# Altium PCB PowerBoard.PcbDoc (part 2 of 2)
Units mm, origin at the board's own origin, x right, y up, seen from the top; angles counter-clockwise.
Board outline 230 x 170 mm, 4 copper layers (Top Layer, PWR, GND, Bottom Layer), stack 0.778 mm thick; 262 components, 135 nets, 848 pads, 1223 vias.
Unrouted connection lines stored in the file: 2.
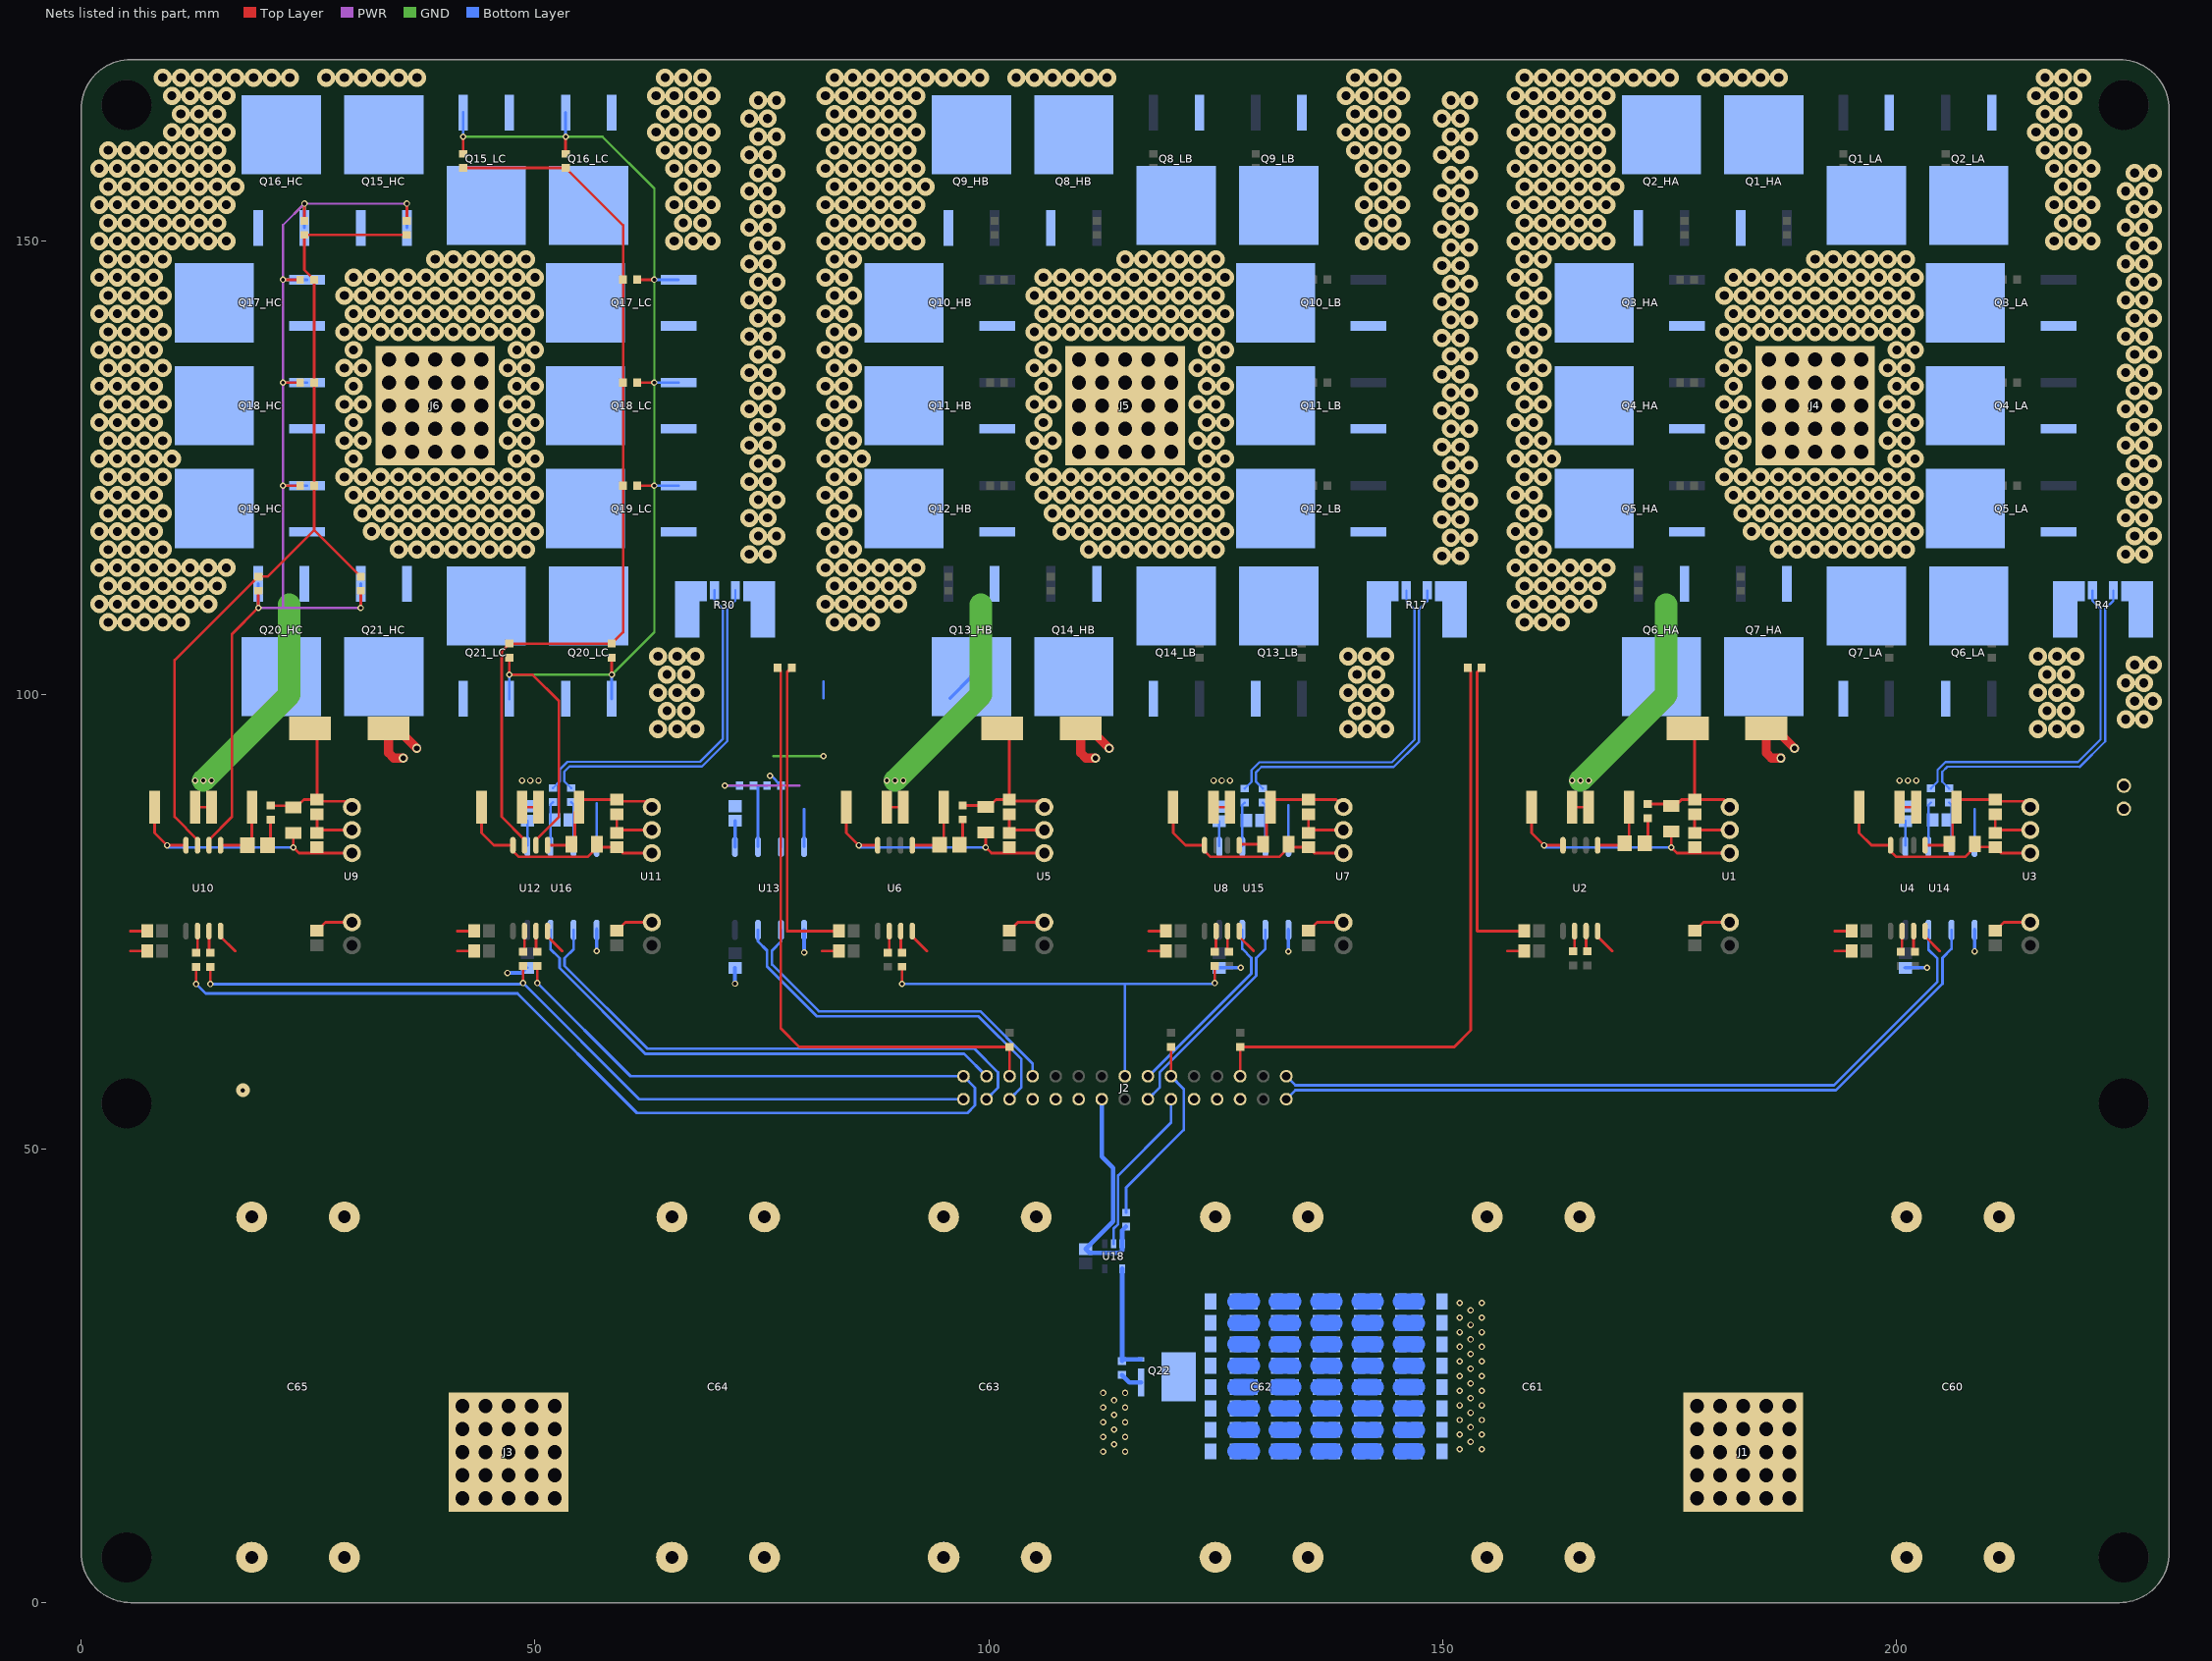
[diagram p4: the nets of this part, all layers, seen from the top]

## Via types
v1: diameter 2, hole 1, Top Layer to Bottom Layer, tented both sides, 1060 vias
v2: diameter 0.7, hole 0.4, Top Layer to Bottom Layer, tented both sides, 153 vias
v3: diameter 1, hole 0.6, Top Layer to Bottom Layer, tented both sides, 6 vias
v4: diameter 1.5, hole 0.5, Top Layer to Bottom Layer, 4 vias

## Nets (pads, with @x,y where several pads share a name; then routed paths per layer and width w, separated by ;. In a path a pad name is that pad's centre, name@x,y a point inside that pad or via, vN(x,y) a via of type N, cw(c..) or ccw(c..) an arc to the next point about the centre after c; other vN are vias at no path point) (continued)
B-LOW: J2.15 R16.1 R18.1 | length 48.4
  Top Layer w0.3: v2(90.435,68.175) R16.1@90.435,70.061 ; v2(124.865,68.257) R18.1@124.865,70.143
  Bottom Layer w0.3: v2(90.435,68.175) 114.97,68.175 ; J2.15@114.97,58 114.97,68.175 ; v2(124.865,68.257) 124.783,68.175 115.9,68.175 114.97,68.175
C-HI-CLAMP: Q15_HC.1 Q16_HC.1 Q17_HC.1 Q18_HC.1 Q19_HC.1 Q20_HC.1 Q21_HC.1 R33_HC.2 R34_HC.2 R35_HC.2 R36_HC.2 R37_HC.2 R38_HC.2 R39_HC.2 U10.6 | length 128.3
  Top Layer w0.3: U10.6@14.095,83.436 14.095,84.049 16.621,86.575 16.621,106.7 v2(19.52,109.599) R38_HC.2@19.52,111.485 ; v2(22.239,123.06) R37_HC.2@24.125,123.06 ; v2(22.239,134.4) R36_HC.2@24.125,134.4 ; v2(22.239,145.74) R35_HC.2@24.125,145.74 ; R34_HC.2@24.6,152.235 v2(24.6,154.121) ; v2(30.803,109.599) R39_HC.2@30.803,111.485 ; R33_HC.2@35.883,152.235 v2(35.883,154.121)
  PWR w0.254: v2(19.52,109.599) 22.239,109.599 ; v2(30.803,109.599) 22.239,109.599 ; v2(35.883,154.121) v2(24.6,154.121) 22.239,151.76 v2(22.239,145.74) v2(22.239,134.4) v2(22.239,123.06) 22.239,109.599
  Bottom Layer w0.3: v2(19.52,109.599) Q20_HC.1@19.52,112.26 ; v2(22.239,123.06) Q19_HC.1@24.9,123.06 ; v2(22.239,134.4) Q18_HC.1@24.9,134.4 ; v2(22.239,145.74) Q17_HC.1@24.9,145.74 ; Q16_HC.1@24.6,151.46 v2(24.6,154.121) ; v2(30.803,109.599) Q21_HC.1@30.803,112.26 ; Q15_HC.1@35.883,151.46 v2(35.883,154.121)
C-HI-GATE: R33_HC.1 R34_HC.1 R35_HC.1 R36_HC.1 R37_HC.1 R38_HC.1 R39_HC.1 U10.7 | length 94.2
  Top Layer w0.3: U10.7@12.825,83.436 12.825,84.049 10.299,86.575 10.299,103.814 R38_HC.1@19.52,113.035 20.547,113.035 25.675,118.163 ; R39_HC.1@30.803,113.035 25.675,118.163 ; R33_HC.1@35.883,150.685 R34_HC.1@24.6,150.685 24.6,146.815 R35_HC.1@25.675,145.74 R36_HC.1@25.675,134.4 R37_HC.1@25.675,123.06 25.675,118.163
C-HIGH: J2.29 R28.1 R32.1 | length 150.7
  Top Layer w0.3: v2(12.675,68.15) R28.1@12.675,70.036 ; v2(50.26,68.257) R32.1@50.26,70.143
  Bottom Layer w0.3: v2(12.675,68.15) 13.725,67.1 48.075,67.1 61.225,53.95 97.625,53.95 98.45,54.775 98.45,56.74 J2.29@97.19,58 60.517,58 v2(50.26,68.257)
C-LO-CLAMP: Q15_LC.1 Q16_LC.1 Q17_LC.1 Q18_LC.1 Q19_LC.1 Q20_LC.1 Q21_LC.1 R33_LC.2 R34_LC.2 R35_LC.2 R36_LC.2 R37_LC.2 R38_LC.2 R39_LC.2 U12.6 | length 145.6
  Top Layer w0.3: R33_LC.2@42.087,159.613 v2(42.087,161.499) ; R39_LC.2@47.167,104.107 v2(47.167,102.221) 49.729,102.221 52.636,99.314 52.636,86.575 50.11,84.049 U12.6@50.11,83.436 ; R34_LC.2@53.37,159.613 v2(53.37,161.499) ; v2(58.45,102.221) R38_LC.2@58.45,104.107 ; R37_LC.2@61.253,123.06 v2(63.139,123.06) ; R36_LC.2@61.253,134.4 v2(63.139,134.4) ; R35_LC.2@61.253,145.74 v2(63.139,145.74)
  GND w0.254: v2(42.087,161.499) v2(53.37,161.499) 57.426,161.499 63.139,155.786 v2(63.139,145.74) v2(63.139,134.4) v2(63.139,123.06) 63.139,106.91 v2(58.45,102.221) v2(47.167,102.221)
  Bottom Layer w0.3: v2(42.087,161.499) Q15_LC.1@42.087,164.16 ; Q21_LC.1@47.167,99.56 v2(47.167,102.221) ; v2(53.37,161.499) Q16_LC.1@53.37,164.16 ; Q20_LC.1@58.45,99.56 v2(58.45,102.221) ; v2(63.139,123.06) Q19_LC.1@65.8,123.06 ; v2(63.139,134.4) Q18_LC.1@65.8,134.4 ; v2(63.139,145.74) Q17_LC.1@65.8,145.74
C-LO-GATE: R33_LC.1 R34_LC.1 R35_LC.1 R36_LC.1 R37_LC.1 R38_LC.1 R39_LC.1 U12.7 | length 101.7
  Top Layer w0.3: R33_LC.1@42.075,158.053 R34_LC.1@53.375,158.053 59.703,151.725 R35_LC.1@59.703,145.75 R36_LC.1@59.703,134.4 R37_LC.1@59.703,123.05 59.703,106.9 R38_LC.1@58.45,105.647 R39_LC.1@47.175,105.647 46.314,104.786 46.314,86.575 48.84,84.049 U12.7@48.84,83.436
C-LOW: J2.30 R29.1 R31.1 | length 92.1
  Top Layer w0.3: v2(14.245,68.15) R29.1@14.245,70.036 ; v2(48.69,68.257) R31.1@48.69,70.143
  Bottom Layer w0.3: v2(14.245,68.15) 48.583,68.15 v2(48.69,68.257) 61.487,55.46 J2.30@97.19,55.46
DIS-GATE: Q22.1 R60.2 U18.4 | length 12.3
  Bottom Layer w0.5: R60.2@114.662,26.63 R60.2@114.675,26.643 ; U18.4@114.675,36.785 R60.2@114.675,26.643 ; Q22.1@116.75,26.805 114.837,26.805 R60.2@114.675,26.643
GND: C2.1 C5.1 C6.1 C10.1 C13.1 C14.1 C18.1 C21.1 C22.1 C26.1 C29.1 C30.1 C34.1 C37.1 C38.1 C43.1 C46.1 C47.1 C51.1 C53.1 C55.1 C57.1 C59.1 J2.6 J2.8 J2.10 J2.18 J2.20 J2.22 J2.24 R45.1 R46.1 R47.1 U1.2 U2.4 U3.2 U4.4 U5.2 U6.4 U7.2 U8.4 U9.2 U10.4 U11.2 U12.4 U13.5 U14.5 U15.5 U16.5 U18.3 | length 175.4
  Top Layer w0.3: 5.414,71.786 C38.1@7.3,71.786 ; 5.414,73.986 C37.1@7.3,73.986 ; U10.4@15.365,73.986 15.365,73.38 16.96,71.785 ; C34.1@25.985,74.012 26.925,74.952 U9.2@29.835,74.952 ; 41.429,71.786 C47.1@43.315,71.786 ; 41.429,73.986 C46.1@43.315,73.986 ; U12.4@51.38,73.986 51.38,73.38 52.975,71.785 ; C43.1@59.02,74.012 59.96,74.952 U11.2@62.87,74.952 ; R45.1@78.275,103 77.775,102.5 77.775,73.986 C21.1@83.49,73.986 ; 81.604,71.786 C22.1@83.49,71.786 ; U6.4@91.555,73.986 91.555,73.38 93.15,71.785 ; C18.1@102.24,74.012 103.18,74.952 U5.2@106.09,74.952 ; 117.604,71.786 C30.1@119.49,71.786 ; 117.604,73.986 C29.1@119.49,73.986 ; U8.4@127.555,73.986 127.555,73.38 129.15,71.785 ; C26.1@135.195,74.012 136.135,74.952 U7.2@139.045,74.952 ; R47.1@154.275,103 153.775,102.5 153.775,73.986 C6.1@158.976,73.986 ; 157.09,71.786 C5.1@158.976,71.786 ; U2.4@167.041,73.986 167.041,73.38 168.636,71.785 ; C2.1@177.747,74.012 178.687,74.952 U1.2@181.597,74.952 ; 193.165,71.786 C14.1@195.051,71.786 ; 193.165,73.986 C13.1@195.051,73.986 ; U4.4@203.116,73.986 203.116,73.38 204.711,71.785 ; C10.1@210.846,74.018 211.78,74.952 U3.2@214.706,74.952
  Bottom Layer w0.254: C57.1@48.594,69.375 C57.1@49.165,69.946 C57.1@49.069,69.946 ; U16.5@56.785,74.115 U16.5@56.785,74.265 ; C55.1@125.269,69.946 C55.1@125.365,69.946 ; U15.5@132.985,74.115 U15.5@132.985,74.211 ; C53.1@200.845,69.946 C53.1@200.941,69.946 ; U14.5@208.561,74.115 U14.5@208.561,74.233
  Bottom Layer w0.4: v2(46.975,69.375) C57.1@48.594,69.375 ; v2(56.785,71.785) U16.5@56.785,74.115 ; v2(72.02,68.195) C51.1@72.02,69.946 ; v2(79.64,71.635) U13.5@79.64,74.115 ; C55.1@125.365,69.946 v2(127.749,69.946) ; v2(132.985,71.731) U15.5@132.985,74.115 ; C53.1@200.941,69.946 v2(203.325,69.946) ; v2(208.561,71.753) U14.5@208.561,74.115
  Bottom Layer w0.5: J2.18@112.43,55.46 112.43,49.12 113.675,47.875 113.675,41.99 C59.1@110.645,38.96 111.08,38.525 114.375,38.525 114.675,38.825 U18.3@114.675,39.535 114.675,41 R46.1@115.1,41.425
  other v4: 17.825,56.45
HV+: C60.2 C61.2 C62.2 C63.2 C64.2 C65.2 J1.1 Q1_HA.2 Q2_HA.2 Q3_HA.2 Q4_HA.2 Q5_HA.2 Q6_HA.2 Q7_HA.2 Q8_HB.2 Q9_HB.2 Q10_HB.2 Q11_HB.2 Q12_HB.2 Q13_HB.2 Q14_HB.2 Q15_HC.2 Q16_HC.2 Q17_HC.2 Q18_HC.2 Q19_HC.2 Q20_HC.2 Q21_HC.2 R50.2 R52.2 R53.2 R54.2 R55.2 R56.2 R57.2 R58.2 R59.2 | length 15
  PWR w0.3: v2(70.9,90) 79.1,90
  Bottom Layer w0.3: v2(70.9,90) R50.2@72.525,90 ; 81.775,99.65 81.775,101.475
  Bottom Layer w0.381: C63.2@95,43.992 C63.2@95.008,44 ; Q13_HB.2@95.71,99.65 Q13_HB.2@98.07,102.01
  other v1: 3,108 5,108 7,108 9,108 11,108 83,108 85,108 87,108 159,108 161,108 163,108 2,110 4,110 6,110 8,110 10,110 12,110 14,110 82,110 84,110 86,110 88,110 90,110 158,110 160,110 162,110 164,110 166,110 3,112 5,112 7,112 9,112 11,112 13,112 15,112 83,112 85,112 87,112 89,112 91,112 159,112 161,112 163,112 165,112 167,112 2,114 4,114 6,114 8,114 10,114 12,114 14,114 16,114 82,114 84,114 86,114 88,114 90,114 92,114 158,114 160,114 162,114 164,114 166,114 168,114 3,116 5,116 7,116 9,116 83,116 85,116 159,116 161,116 2,118 4,118 6,118 8,118 82,118 84,118 158,118 160,118 3,120 5,120 7,120 9,120 83,120 85,120 159,120 161,120 2,122 4,122 6,122 8,122 82,122 84,122 158,122 160,122 3,124 5,124 7,124 9,124 83,124 85,124 159,124 161,124 2,126 4,126 6,126 8,126 10,126 82,126 84,126 86,126 158,126 160,126 162,126 3,128 5,128 7,128 9,128 83,128 85,128 159,128 161,128 2,130 4,130 6,130 8,130 82,130 84,130 158,130 160,130 3,132 5,132 7,132 9,132 83,132 85,132 159,132 161,132 2,134 4,134 6,134 8,134 82,134 84,134 158,134 160,134 3,136 5,136 7,136 9,136 83,136 85,136 159,136 161,136 2,138 4,138 6,138 8,138 82,138 84,138 158,138 160,138 3,140 5,140 7,140 9,140 83,140 85,140 159,140 161,140 2,142 4,142 6,142 8,142 82,142 84,142 158,142 160,142 3,144 5,144 7,144 9,144 83,144 85,144 159,144 161,144 2,146 4,146 6,146 8,146 82,146 84,146 158,146 160,146 3,148 5,148 7,148 9,148 83,148 85,148 159,148 161,148 2,150 4,150 6,150 8,150 10,150 12,150 14,150 16,150 82,150 84,150 86,150 88,150 90,150 92,150 158,150 160,150 162,150 164,150 166,150 168,150 3,152 5,152 7,152 9,152 11,152 13,152 15,152 83,152 85,152 87,152 89,152 91,152 159,152 161,152 163,152 165,152 167,152 2,154 4,154 6,154 8,154 10,154 12,154 14,154 16,154 82,154 84,154 86,154 88,154 90,154 92,154 158,154 160,154 162,154 164,154 166,154 168,154 3,156 5,156 7,156 9,156 11,156 13,156 15,156 17,156 83,156 85,156 87,156 89,156 91,156 93,156 159,156 161,156 163,156 165,156 167,156 169,156 2,158 4,158 6,158 8,158 10,158 12,158 14,158 16,158 82,158 84,158 86,158 88,158 90,158 92,158 158,158 160,158 162,158 164,158 166,158 168,158 3,160 5,160 7,160 9,160 11,160 13,160 15,160 83,160 85,160 87,160 89,160 91,160 159,160 161,160 163,160 165,160 167,160 10,162 12,162 14,162 16,162 82,162 84,162 86,162 88,162 90,162 92,162 158,162 160,162 162,162 164,162 166,162 168,162 11,164 13,164 15,164 83,164 85,164 87,164 89,164 91,164 159,164 161,164 163,164 165,164 167,164 10,166 12,166 14,166 16,166 82,166 84,166 86,166 88,166 90,166 92,166 158,166 160,166 162,166 164,166 166,166 168,166 9,168 11,168 13,168 15,168 17,168 19,168 21,168 23,168 27,168 29,168 31,168 33,168 35,168 37,168 83,168 85,168 87,168 89,168 91,168 93,168 95,168 97,168 99,168 103,168 105,168 107,168 109,168 111,168 113,168 159,168 161,168 163,168 165,168 167,168 169,168 171,168 173,168 175,168 179,168 181,168 183,168 185,168 187,168
  other v2: 151.85,16.9 154.275,16.9 153.063,17.706 151.85,18.512 154.275,18.512 153.063,19.319 151.85,20.125 154.275,20.125 153.063,20.931 151.85,21.737 154.275,21.737 153.063,22.544 151.85,23.35 154.275,23.35 153.063,24.156 151.85,24.962 154.275,24.962 153.063,25.769 151.85,26.575 154.275,26.575 153.063,27.381 151.85,28.187 154.275,28.187 153.063,28.994 151.85,29.8 154.275,29.8 153.063,30.606 151.85,31.412 154.275,31.412 153.063,32.219 151.85,33.025 154.275,33.025
HV-GND: C39.2 C60.1 C61.1 C62.1 C63.1 C64.1 C65.1 C66.2 C67.2 J3.1 Q22.3 R4.1 R17.1 R30.1 R51.1 R60.1 U13.3 | length 42
  Top Layer w1: v3(35.475,93.05) 34.425,93.05 33.855,93.62 C39.2@33.855,96.29 34.81,96.29 v3(36.975,94.125) ; v3(111.73,93.05) 110.68,93.05 110.11,93.62 C67.2@110.11,96.29 111.065,96.29 v3(113.23,94.125) ; v3(187.237,93.05) 186.187,93.05 185.617,93.62 C66.2@185.617,96.29 186.572,96.29 v3(188.737,94.125)
  GND w0.254: 76.225,93.25 v2(81.775,93.25)
  Bottom Layer w0.3: v2(75.879,91.104) 75.995,91.104 R51.1@77.1,90 U13.3@77.1,83.265
  Bottom Layer w0.381: C63.1@95,6.508 C63.1@95.008,6.5
  Bottom Layer w0.5: R60.1@114.662,25.08 115.477,24.265 Q22.3@116.75,24.265
  other v1: 225.2,97.3 227.2,97.3 226.2,99.3 228.2,99.3 225.2,101.3 227.2,101.3 226.2,103.3 228.2,103.3 149.9,115.3 151.9,115.3 73.6,115.5 75.6,115.5 225.2,115.5 227.2,115.5 150.9,117.3 152.9,117.3 74.6,117.5 76.6,117.5 226.2,117.5 228.2,117.5 149.9,119.3 151.9,119.3 73.6,119.5 75.6,119.5 225.2,119.5 227.2,119.5 150.9,121.3 152.9,121.3 74.6,121.5 76.6,121.5 226.2,121.5 228.2,121.5 149.9,123.3 151.9,123.3 73.6,123.5 75.6,123.5 225.2,123.5 227.2,123.5 150.9,125.3 152.9,125.3 74.6,125.5 76.6,125.5 226.2,125.5 228.2,125.5 149.9,127.3 151.9,127.3 73.6,127.5 75.6,127.5 225.2,127.5 227.2,127.5 150.9,129.3 152.9,129.3 74.6,129.5 76.6,129.5 226.2,129.5 228.2,129.5 149.9,131.3 151.9,131.3 73.6,131.5 75.6,131.5 225.2,131.5 227.2,131.5 150.9,133.3 152.9,133.3 74.6,133.5 76.6,133.5 226.2,133.5 228.2,133.5 149.9,135.3 151.9,135.3 73.6,135.5 75.6,135.5 225.2,135.5 227.2,135.5 150.9,137.3 152.9,137.3 74.6,137.5 76.6,137.5 226.2,137.5 228.2,137.5 149.9,139.3 151.9,139.3 73.6,139.5 75.6,139.5 225.2,139.5 227.2,139.5 150.9,141.3 152.9,141.3 74.6,141.5 76.6,141.5 226.2,141.5 228.2,141.5 149.9,143.3 151.9,143.3 73.6,143.5 75.6,143.5 225.2,143.5 227.2,143.5 150.9,145.3 152.9,145.3 74.6,145.5 76.6,145.5 226.2,145.5 228.2,145.5 149.9,147.3 151.9,147.3 73.6,147.5 75.6,147.5 225.2,147.5 227.2,147.5 150.9,149.3 152.9,149.3 74.6,149.5 76.6,149.5 226.2,149.5 228.2,149.5 149.9,151.3 151.9,151.3 73.6,151.5 75.6,151.5 225.2,151.5 227.2,151.5 150.9,153.3 152.9,153.3 74.6,153.5 76.6,153.5 226.2,153.5 228.2,153.5 149.9,155.3 151.9,155.3 73.6,155.5 75.6,155.5 225.2,155.5 227.2,155.5 150.9,157.3 152.9,157.3 74.6,157.5 76.6,157.5 226.2,157.5 228.2,157.5 73.6,159.5 75.6,159.5 149.9,159.5 151.9,159.5 74.6,161.5 76.6,161.5 150.9,161.5 152.9,161.5 73.6,163.5 75.6,163.5 149.9,163.5 151.9,163.5 74.6,165.5 76.6,165.5 150.9,165.5 152.9,165.5
  other v2: 112.575,16.65 115,16.65 113.788,17.456 112.575,18.262 115,18.262 113.788,19.069 112.575,19.875 115,19.875 113.788,20.681 112.575,21.487 115,21.487 113.788,22.294 112.575,23.1 115,23.1
HVsns: R50.1 R51.2 U13.2 | length 7.7
  Bottom Layer w0.3: U13.2@74.56,83.265 74.56,90 R51.2@75.55,90
IsnsA_N: J2.2 U14.6 | length 83.9
  Bottom Layer w0.3: J2.2@132.75,55.46 133.743,56.453 193.303,56.453 205.028,68.178 205.028,71.035 206.021,72.028 U14.6@206.021,74.115
IsnsA_P: J2.1 U14.7 | length 83
  Bottom Layer w0.3: J2.1@132.75,58 133.743,57.007 193.074,57.007 204.474,68.407 204.474,70.955 203.481,71.948 U14.7@203.481,74.115
IsnsB_N: J2.14 U15.6 | length 24
  Bottom Layer w0.3: J2.14@117.51,55.46 118.8,56.75 118.8,58.421 129.452,69.072 129.452,71.02 130.445,72.013 U15.6@130.445,74.115
IsnsB_P: J2.13 U15.7 | length 21.3
  Bottom Layer w0.3: J2.13@117.51,58 117.596,58 128.898,69.302 128.898,71.02 127.905,72.013 U15.7@127.905,74.115
IsnsC_N: J2.28 U16.6 | length 60.5
  Bottom Layer w0.3: U16.6@54.245,74.115 54.245,71.988 53.252,70.995 53.252,70.15 62.373,61.029 98.396,61.029 101,58.425 101,56.73 J2.28@99.73,55.46
IsnsC_P: J2.27 U16.7 | length 56.8
  Bottom Layer w0.3: U16.7@51.705,74.115 51.705,71.989 52.698,70.996 52.698,69.921 62.143,60.475 97.255,60.475 J2.27@99.73,58 J2.27@99.918,58.188
ISO-5V: C50.2 C52.2 C54.2 C56.2 J7.2 U13.1 U14.1 U15.1 U16.1 | length 11.1
  Bottom Layer w0.254: U16.1@49.165,83.415 C56.2@49.165,86.14 ; U15.1@125.365,83.361 C54.2@125.365,86.086 ; U14.1@200.941,83.383 C52.2@200.941,86.108
  Bottom Layer w0.381: U13.1@72.02,83.265 C50.2@72.02,86.14
ISO-GND: C50.1 C52.1 C54.1 C56.1 J7.1 U13.4 U14.4 U15.4 U16.4 | length 17.6
  Bottom Layer w0.3: U16.4@56.785,83.265 56.785,88.025 ; U13.4@79.64,83.265 79.64,87.425 ; U15.4@132.985,83.265 132.985,87.825 ; U14.4@208.561,83.265 208.561,87.375
NetC1_1: C1.1 C4.2 U1.4 | length 5.9
  Top Layer w0.3: C1.1@177.737,86.693 177.737,84.828 177.747,84.818 178.047,85.118 U1.4@181.597,85.118
NetC7_2: C7.2 D1.1 U2.5 | length 7.4
  Top Layer w0.3: U2.5@167.041,83.436 170.001,83.436 170.496,83.931 C7.2@170.496,87.629
NetC9_1: C9.1 C12.2 U3.4 | length 5.9
  Top Layer w0.3: C9.1@210.846,86.693 210.846,84.828 210.856,84.818 211.156,85.118 U3.4@214.706,85.118
NetC15_1: C15.1 C16.2 Q1_LA.3 Q2_LA.3 Q3_LA.3 Q4_LA.3 Q5_LA.3 Q6_LA.3 Q7_LA.3 R4.2 | length 1.8
  Top Layer w0.3: C16.2@200.301,87.629 C15.1@202.121,87.629
  other v1: 215.55,96.25 217.65,96.25 219.65,96.25 216.55,98.25 218.65,98.25 215.55,100.25 217.65,100.25 219.65,100.25 216.55,102.25 218.65,102.25 215.55,104.25 217.65,104.25 219.65,104.25 217.325,150 219.425,150 221.425,150 218.325,152 220.425,152 217.325,154 219.425,154 221.425,154 218.325,156 220.425,156 217.325,158 219.425,158 221.425,158 216.325,160 218.325,160 220.425,160 215.325,162 217.325,162 219.425,162 216.325,164 218.325,164 215.325,166 217.325,166 219.425,166 216.325,168 218.325,168 220.425,168
  other v2: 200.301,90.575 201.211,90.575 202.121,90.575
NetC17_1: C17.1 C20.2 U5.4 | length 5.9
  Top Layer w0.3: C17.1@102.23,86.693 102.23,84.828 102.24,84.818 102.54,85.118 U5.4@106.09,85.118
NetC23_2: C23.2 D2.1 U6.5 | length 7.4
  Top Layer w0.3: U6.5@91.555,83.436 94.515,83.436 95.01,83.931 C23.2@95.01,87.629
NetC25_1: C25.1 C28.2 U7.4 | length 5.9
  Top Layer w0.3: C25.1@135.185,86.693 135.185,84.828 135.195,84.818 135.495,85.118 U7.4@139.045,85.118
NetC31_1: C31.1 C32.2 Q8_LB.3 Q9_LB.3 Q10_LB.3 Q11_LB.3 Q12_LB.3 Q13_LB.3 Q14_LB.3 R17.2 | length 1.8
  Top Layer w0.3: C32.2@124.74,87.629 C31.1@126.56,87.629
  other v1: 139.55,96.25 141.65,96.25 143.65,96.25 140.55,98.25 142.65,98.25 139.55,100.25 141.65,100.25 143.65,100.25 140.55,102.25 142.65,102.25 139.55,104.25 141.65,104.25 143.65,104.25 141.325,150 143.425,150 145.425,150 142.325,152 144.425,152 141.325,154 143.425,154 145.425,154 142.325,156 144.425,156 141.325,158 143.425,158 145.425,158 140.325,160 142.325,160 144.425,160 139.325,162 141.325,162 143.425,162 145.425,162 140.325,164 142.325,164 144.425,164 139.325,166 141.325,166 143.425,166 145.425,166 140.325,168 142.325,168 144.425,168
  other v2: 124.74,90.575 125.65,90.575 126.56,90.575
NetC33_1: C33.1 C36.2 U9.4 | length 5.8
  Top Layer w0.3: C33.1@25.985,86.686 25.985,84.875 26.222,85.112 U9.4@29.835,85.112
NetC40_2: C40.2 D3.1 U10.5 | length 7.4
  Top Layer w0.3: U10.5@15.365,83.436 D3.1@18.325,83.436 18.82,83.931 C40.2@18.82,87.629
NetC42_1: C42.1 C45.2 U11.4 | length 5.9
  Top Layer w0.3: C42.1@59.01,86.693 59.01,84.828 59.02,84.818 59.32,85.118 U11.4@62.87,85.118
NetC48_1: C48.1 C49.2 Q15_LC.3 Q16_LC.3 Q17_LC.3 Q18_LC.3 Q19_LC.3 Q20_LC.3 Q21_LC.3 R30.2 | length 1.8
  Top Layer w0.3: C49.2@48.565,87.629 C48.1@50.385,87.629
  other v1: 63.55,96.25 65.65,96.25 67.65,96.25 64.55,98.25 66.65,98.25 63.55,100.25 65.65,100.25 67.65,100.25 64.55,102.25 66.65,102.25 63.55,104.25 65.65,104.25 67.65,104.25 65.325,150 67.425,150 69.425,150 66.325,152 68.425,152 65.325,154 67.425,154 69.425,154 66.325,156 68.425,156 65.325,158 67.425,158 69.425,158 64.325,160 66.325,160 68.425,160 63.325,162 65.325,162 67.425,162 69.425,162 64.325,164 66.325,164 68.425,164 63.325,166 65.325,166 67.425,166 69.425,166 64.325,168 66.325,168 68.425,168
  other v2: 48.565,90.575 49.475,90.575 50.385,90.575
NetC68_1: C68.1 R103.1 U14.3 | length 4.9
  Bottom Layer w0.254: R103.1@205.751,88.153 206.021,87.883 U14.3@206.021,83.383
NetC68_2: C68.2 R102.1 U14.2 | length 4.9
  Bottom Layer w0.254: U14.2@203.481,83.383 203.481,87.883 R102.1@203.751,88.153
NetC69_1: C69.1 R105.1 U15.3 | length 4.9
  Bottom Layer w0.254: R105.1@130.175,88.131 130.445,87.861 U15.3@130.445,83.361
NetC69_2: C69.2 R104.1 U15.2 | length 4.9
  Bottom Layer w0.254: U15.2@127.905,83.361 127.905,87.861 R104.1@128.175,88.131
NetC70_1: C70.1 R107.1 U16.3 | length 4.9
  Bottom Layer w0.254: R107.1@53.975,88.185 54.245,87.915 U16.3@54.245,83.415
NetC70_2: C70.2 R106.1 U16.2 | length 4.9
  Bottom Layer w0.254: U16.2@51.705,83.415 51.705,87.915 R106.1@51.975,88.185
NetD1_2: D1.2 R1.2 | length 2.9
  Top Layer w0.3: D1.2@172.227,83.647 172.577,83.997 R1.2@172.577,86.429
NetD2_2: D2.2 R14.2 | length 2.9
  Top Layer w0.3: D2.2@96.755,83.497 97.105,83.847 R14.2@97.105,86.279
NetD3_2: D3.2 R27.2 | length 3
  Top Layer w0.3: D3.2@20.525,83.436 20.875,83.786 R27.2@20.875,86.254
NetQ22_2: Q22.2 R94.1 R95.1 R96.1 R97.1 R98.1 R99.1 R100.1 R101.1
NetR2_2: R2.2 U2.2 | length 2.3
  Top Layer w0.3: R2.2@164.351,71.761 164.501,71.911 U2.2@164.501,73.986
NetR3_2: R3.2 U2.3 | length 2.3
  Top Layer w0.3: U2.3@165.771,73.986 165.771,71.911 R3.2@165.921,71.761
NetR5_2: R5.2 U4.2 | length 2.4
  Top Layer w0.3: R5.2@200.426,71.693 200.576,71.843 U4.2@200.576,73.986
NetR6_2: R6.2 U4.3 | length 2.4
  Top Layer w0.3: U4.3@201.846,73.986 201.846,71.843 R6.2@201.996,71.693
NetR15_2: R15.2 U6.2 | length 2.4
  Top Layer w0.3: R15.2@88.865,71.611 89.015,71.761 U6.2@89.015,73.986
NetR16_2: R16.2 U6.3 | length 2.4
  Top Layer w0.3: U6.3@90.285,73.986 90.285,71.761 R16.2@90.435,71.611
NetR18_2: R18.2 U8.2 | length 2.4
  Top Layer w0.3: R18.2@124.865,71.693 125.015,71.843 U8.2@125.015,73.986
NetR19_2: R19.2 U8.3 | length 2.4
  Top Layer w0.3: U8.3@126.285,73.986 126.285,71.843 R19.2@126.435,71.693
NetR28_2: R28.2 U10.2 | length 2.5
  Top Layer w0.3: R28.2@12.675,71.586 12.825,71.736 U10.2@12.825,73.986
NetR29_2: R29.2 U10.3 | length 2.5
  Top Layer w0.3: U10.3@14.095,73.986 14.095,71.736 R29.2@14.245,71.586
NetR31_2: R31.2 U12.2 | length 2.5
  Top Layer w0.3: R31.2@48.69,71.693 48.84,71.843 U12.2@48.84,74.093
NetR32_2: R32.2 U12.3 | length 2.5
  Top Layer w0.3: U12.3@50.11,74.093 50.11,71.843 R32.2@50.26,71.693
NetR52_1: R52.1 R61.2 | length 1.8
  Bottom Layer w1.8: R61.2@145.36,16.675 R52.1@147.16,16.675
NetR53_1: R53.1 R62.2 | length 1.8
  Bottom Layer w1.8: R62.2@145.36,19.032 R53.1@147.16,19.032
NetR54_1: R54.1 R63.2 | length 1.8
  Bottom Layer w1.8: R63.2@145.36,21.389 R54.1@147.16,21.389
NetR55_1: R55.1 R64.2 | length 1.8
  Bottom Layer w1.8: R64.2@145.36,23.746 R55.1@147.16,23.746
NetR56_1: R56.1 R65.2 | length 1.8
  Bottom Layer w1.8: R65.2@145.36,26.103 R56.1@147.16,26.103
NetR57_1: R57.1 R66.2 | length 1.8
  Bottom Layer w1.8: R66.2@145.36,28.461 R57.1@147.16,28.461
NetR58_1: R58.1 R67.2 | length 1.8
  Bottom Layer w1.8: R67.2@145.36,30.818 R58.1@147.16,30.818
NetR59_1: R59.1 R68.2 | length 1.8
  Bottom Layer w1.8: R68.2@145.36,33.175 R59.1@147.16,33.175
NetR61_1: R61.1 R70.2 | length 1.8
  Bottom Layer w1.8: R70.2@140.81,16.675 R61.1@142.61,16.675
NetR62_1: R62.1 R71.2 | length 1.8
  Bottom Layer w1.8: R71.2@140.81,19.032 R62.1@142.61,19.032
NetR63_1: R63.1 R72.2 | length 1.8
  Bottom Layer w1.8: R72.2@140.81,21.389 R63.1@142.61,21.389
NetR64_1: R64.1 R73.2 | length 1.8
  Bottom Layer w1.8: R73.2@140.81,23.746 R64.1@142.61,23.746
NetR65_1: R65.1 R74.2 | length 1.8
  Bottom Layer w1.8: R74.2@140.81,26.103 R65.1@142.61,26.103
NetR66_1: R66.1 R75.2 | length 1.8
  Bottom Layer w1.8: R75.2@140.81,28.461 R66.1@142.61,28.461
NetR67_1: R67.1 R76.2 | length 1.8
  Bottom Layer w1.8: R76.2@140.81,30.818 R67.1@142.61,30.818
NetR68_1: R68.1 R77.2 | length 1.8
  Bottom Layer w1.8: R77.2@140.81,33.175 R68.1@142.61,33.175
NetR70_1: R70.1 R78.2 | length 1.8
  Bottom Layer w1.8: R78.2@136.26,16.675 R70.1@138.06,16.675
NetR71_1: R71.1 R79.2 | length 1.8
  Bottom Layer w1.8: R79.2@136.26,19.032 R71.1@138.06,19.032
NetR72_1: R72.1 R80.2 | length 1.8
  Bottom Layer w1.8: R80.2@136.26,21.389 R72.1@138.06,21.389
NetR73_1: R73.1 R81.2 | length 1.8
  Bottom Layer w1.8: R81.2@136.26,23.746 R73.1@138.06,23.746
NetR74_1: R74.1 R82.2 | length 1.8
  Bottom Layer w1.8: R82.2@136.26,26.103 R74.1@138.06,26.103
NetR75_1: R75.1 R83.2 | length 1.8
  Bottom Layer w1.8: R83.2@136.26,28.461 R75.1@138.06,28.461
NetR76_1: R76.1 R84.2 | length 1.8
  Bottom Layer w1.8: R84.2@136.26,30.818 R76.1@138.06,30.818
NetR77_1: R77.1 R85.2 | length 1.8
  Bottom Layer w1.8: R85.2@136.26,33.175 R77.1@138.06,33.175
NetR78_1: R78.1 R86.2 | length 1.8
  Bottom Layer w1.8: R86.2@131.71,16.675 R78.1@133.51,16.675
NetR79_1: R79.1 R87.2 | length 1.8
  Bottom Layer w1.8: R87.2@131.71,19.032 R79.1@133.51,19.032
NetR80_1: R80.1 R88.2 | length 1.8
  Bottom Layer w1.8: R88.2@131.71,21.389 R80.1@133.51,21.389
NetR81_1: R81.1 R89.2 | length 1.8
  Bottom Layer w1.8: R89.2@131.71,23.746 R81.1@133.51,23.746
NetR82_1: R82.1 R90.2 | length 1.8
  Bottom Layer w1.8: R90.2@131.71,26.103 R82.1@133.51,26.103
NetR83_1: R83.1 R91.2 | length 1.8
  Bottom Layer w1.8: R91.2@131.71,28.461 R83.1@133.51,28.461
NetR84_1: R84.1 R92.2 | length 1.8
  Bottom Layer w1.8: R92.2@131.71,30.818 R84.1@133.51,30.818
NetR85_1: R85.1 R93.2 | length 1.8
  Bottom Layer w1.8: R93.2@131.71,33.175 R85.1@133.51,33.175
NetR86_1: R86.1 R94.2 | length 1.8
  Bottom Layer w1.8: R94.2@127.16,16.675 R86.1@128.96,16.675
NetR87_1: R87.1 R95.2 | length 1.8
  Bottom Layer w1.8: R95.2@127.16,19.032 R87.1@128.96,19.032
NetR88_1: R88.1 R96.2 | length 1.8
  Bottom Layer w1.8: R96.2@127.16,21.389 R88.1@128.96,21.389
NetR89_1: R89.1 R97.2 | length 1.8
  Bottom Layer w1.8: R97.2@127.16,23.746 R89.1@128.96,23.746
NetR90_1: R90.1 R98.2 | length 1.8
  Bottom Layer w1.8: R98.2@127.16,26.103 R90.1@128.96,26.103
NetR91_1: R91.1 R99.2 | length 1.8
  Bottom Layer w1.8: R99.2@127.16,28.461 R91.1@128.96,28.461
NetR92_1: R92.1 R100.2 | length 1.8
  Bottom Layer w1.8: R100.2@127.16,30.818 R92.1@128.96,30.818
NetR93_1: R93.1 R101.2 | length 1.8
  Bottom Layer w1.8: R101.2@127.16,33.175 R93.1@128.96,33.175
Phase-A-OUT: C7.1 C8.2 J4.1 Q1_HA.3 Q1_LA.2 Q2_HA.3 Q2_LA.2 Q3_HA.3 Q3_LA.2 Q4_HA.3 Q4_LA.2 Q5_HA.3 Q5_LA.2 Q6_HA.3 Q6_LA.2 Q7_HA.3 Q7_LA.2 | length 25.1
  Top Layer w0.3: C8.2@164.226,87.629 C7.1@166.046,87.629
  GND w2.5: v2(165.136,90.575) 174.601,100.04 174.601,109.95
  other v1: 187,116 189,116 191,116 193,116 195,116 197,116 199,116 201,116 184,118 186,118 188,118 190,118 192,118 194,118 196,118 198,118 200,118 202,118 183,120 185,120 187,120 189,120 191,120 193,120 195,120 197,120 199,120 201,120 182,122 184,122 186,122 188,122 190,122 192,122 194,122 196,122 198,122 200,122 202,122 181,124 183,124 185,124 187,124 189,124 191,124 193,124 195,124 197,124 199,124 201,124 182,126 200,126 202,126 181,128 183,128 199,128 201,128 182,130 200,130 202,130 181,132 183,132 199,132 201,132 182,134 200,134 202,134 181,136 183,136 199,136 201,136 182,138 200,138 202,138 181,140 183,140 185,140 187,140 189,140 191,140 193,140 195,140 197,140 199,140 201,140 182,142 184,142 186,142 188,142 190,142 192,142 194,142 196,142 198,142 200,142 202,142 181,144 183,144 185,144 187,144 189,144 191,144 193,144 195,144 197,144 199,144 201,144 182,146 184,146 186,146 188,146 190,146 192,146 194,146 196,146 198,146 200,146 202,146 191,148 193,148 195,148 197,148 199,148 201,148
  other v2: 164.226,90.575 166.046,90.575
Phase-B-OUT: C23.1 C24.2 J5.1 Q8_HB.3 Q8_LB.2 Q9_HB.3 Q9_LB.2 Q10_HB.3 Q10_LB.2 Q11_HB.3 Q11_LB.2 Q12_HB.3 Q12_LB.2 Q13_HB.3 Q13_LB.2 Q14_HB.3 Q14_LB.2 | length 25.1
  Top Layer w0.3: C24.2@88.74,87.629 C23.1@90.56,87.629
  GND w2.5: v2(89.65,90.575) 99.115,100.04 99.115,109.95
  other v1: 111,116 113,116 115,116 117,116 119,116 121,116 123,116 125,116 108,118 110,118 112,118 114,118 116,118 118,118 120,118 122,118 124,118 126,118 107,120 109,120 111,120 113,120 115,120 117,120 119,120 121,120 123,120 125,120 106,122 108,122 110,122 112,122 114,122 116,122 118,122 120,122 122,122 124,122 126,122 105,124 107,124 109,124 111,124 113,124 115,124 117,124 119,124 121,124 123,124 125,124 106,126 124,126 126,126 105,128 107,128 123,128 125,128 106,130 124,130 126,130 105,132 107,132 123,132 125,132 106,134 124,134 126,134 105,136 107,136 123,136 125,136 106,138 124,138 126,138 105,140 107,140 109,140 111,140 113,140 115,140 117,140 119,140 121,140 123,140 125,140 106,142 108,142 110,142 112,142 114,142 116,142 118,142 120,142 122,142 124,142 126,142 105,144 107,144 109,144 111,144 113,144 115,144 117,144 119,144 121,144 123,144 125,144 106,146 108,146 110,146 112,146 114,146 116,146 118,146 120,146 122,146 124,146 126,146 115,148 117,148 119,148 121,148 123,148 125,148
  other v2: 88.74,90.575 90.56,90.575
Phase-C-OUT: C40.1 C41.2 J6.1 Q15_HC.3 Q15_LC.2 Q16_HC.3 Q16_LC.2 Q17_HC.3 Q17_LC.2 Q18_HC.3 Q18_LC.2 Q19_HC.3 Q19_LC.2 Q20_HC.3 Q20_LC.2 Q21_HC.3 Q21_LC.2 | length 25.1
  Top Layer w0.3: C41.2@12.55,87.629 C40.1@14.37,87.629
  GND w2.5: v2(13.46,90.575) 22.925,100.04 22.925,109.95
  other v1: 35,116 37,116 39,116 41,116 43,116 45,116 47,116 49,116 32,118 34,118 36,118 38,118 40,118 42,118 44,118 46,118 48,118 50,118 31,120 33,120 35,120 37,120 39,120 41,120 43,120 45,120 47,120 49,120 30,122 32,122 34,122 36,122 38,122 40,122 42,122 44,122 46,122 48,122 50,122 29,124 31,124 33,124 35,124 37,124 39,124 41,124 43,124 45,124 47,124 49,124 30,126 48,126 50,126 29,128 31,128 47,128 49,128 30,130 48,130 50,130 29,132 31,132 47,132 49,132 30,134 48,134 50,134 29,136 31,136 47,136 49,136 30,138 48,138 50,138 29,140 31,140 33,140 35,140 37,140 39,140 41,140 43,140 45,140 47,140 49,140 30,142 32,142 34,142 36,142 38,142 40,142 42,142 44,142 46,142 48,142 50,142 29,144 31,144 33,144 35,144 37,144 39,144 41,144 43,144 45,144 47,144 49,144 30,146 32,146 34,146 36,146 38,146 40,146 42,146 44,146 46,146 48,146 50,146 39,148 41,148 43,148 45,148 47,148 49,148
  other v2: 12.55,90.575 14.37,90.575
ShuntA_N: R4.3 R103.2 | length 38.5
  Bottom Layer w0.254: R103.2@205.751,89.703 205.005,90.449 205.005,91.522 205.576,92.093 220.153,92.093 220.161,92.085 222.955,94.879 222.955,109.47 223.851,110.366 R4.3@223.851,111.493
ShuntA_P: R4.4 R102.2 | length 38.5
  Bottom Layer w0.254: R102.2@203.751,89.703 204.497,90.449 204.497,91.732 205.365,92.601 219.959,92.601 222.447,95.089 222.447,109.47 221.551,110.366 R4.4@221.551,111.493
ShuntB_N: R17.3 R105.2 | length 38.5
  Bottom Layer w0.254: R105.2@130.175,89.681 129.429,90.427 129.429,91.5 130,92.071 144.577,92.071 144.585,92.063 147.379,94.857 147.379,109.448 148.275,110.344 R17.3@148.275,111.471
ShuntB_P: R17.4 R104.2 | length 38.5
  Bottom Layer w0.254: R104.2@128.175,89.681 128.921,90.427 128.921,91.71 129.79,92.579 144.383,92.579 146.871,95.067 146.871,109.448 145.975,110.344 R17.4@145.975,111.471
ShuntC_N: R30.3 R107.2 | length 38.5
  Bottom Layer w0.254: R107.2@53.975,89.735 53.229,90.481 53.229,91.554 53.8,92.125 68.377,92.125 68.385,92.117 71.179,94.911 71.179,109.502 72.075,110.398 R30.3@72.075,111.525
ShuntC_P: R30.4 R106.2 | length 38.5
  Bottom Layer w0.254: R106.2@51.975,89.735 52.721,90.481 52.721,91.764 53.59,92.633 68.183,92.633 70.671,95.121 70.671,109.502 69.775,110.398 R30.4@69.775,111.525
Shutdown: J2.12 U18.2 | length 18.5
  Bottom Layer w0.3: U18.2@113.725,39.535 113.725,41.2 114.225,41.7 114.225,47.05 120.05,52.875 J2.12@120.05,55.46
TEMP1: J2.25 R40.1 R45.2 | length 69.2
  Top Layer w0.3: R45.2@76.725,103 77.075,102.65 77.075,63.25 79.1,61.225 R40.1@102.27,61.225 J2.25@102.27,58
TEMP2: J2.11 R41.1 R46.2 | length 21.5
  Top Layer w0.3: J2.11@120.05,58 R41.1@120.05,61.225
  Bottom Layer w0.3: R46.2@115.1,42.975 115.1,45.725 121.45,52.075 121.45,56.6 J2.11@120.05,58
TEMP3: J2.5 R42.1 R47.2 | length 69
  Top Layer w0.3: J2.5@127.67,58 R42.1@127.67,61.225 151.25,61.225 153.075,63.05 R47.2@153.075,102.65
VH_H_A: C1.2 C3.2 C66.1 R1.1 U1.5 | length 17.6
  Top Layer w0.3: R1.1@172.577,87.979 174.862,87.979 C3.2@175.087,87.754 ; C3.2@175.405,87.579 176.287,88.461 C1.2@177.736,88.461 ; C66.1@176.967,96.29 177.736,95.521 C1.2@177.736,88.461 ; U1.5@181.586,87.826 180.951,88.461 C1.2@177.736,88.461
VH_H_B: C17.2 C19.2 C67.1 R14.1 U5.5 | length 17.6
  Top Layer w0.3: R14.1@97.105,87.829 99.39,87.829 C19.2@99.615,87.604 ; C19.2@99.909,87.579 100.791,88.461 C17.2@102.24,88.461 102.24,95.51 C67.1@101.46,96.29 ; C17.2@102.24,88.311 105.455,88.311 U5.5@106.09,87.676
VH_H_C: C33.2 C35.2 C39.1 R27.1 U9.5 | length 17.8
  Top Layer w0.3: R27.1@20.875,87.804 23.16,87.804 C35.2@23.385,87.579 23.654,87.579 24.536,88.461 C33.2@25.985,88.461 25.985,95.51 C39.1@25.205,96.29 ; C33.2@25.985,88.286 29.2,88.286 U9.5@29.835,87.651
VH_L_A: C3.1 C4.1 C8.1 U1.3 U2.8 | length 29.3
  Top Layer w0.3: C8.1@159.776,87.629 159.776,84.8 v2(161.14,83.436) U2.8@163.231,83.436 ; v2(175.147,83.204) 175.779,82.572 U1.3@181.597,82.572 ; C3.1@175.147,84.779 v2@175.147,83.346 ; v2@175.147,83.346 175.218,83.275 175.147,83.275 v2@175.147,83.346
  Bottom Layer w0.3: v2(161.14,83.436) 161.372,83.204 v2(175.147,83.204)
VH_L_B: C19.1 C20.1 C24.1 U5.3 U6.8 | length 29.3
  Top Layer w0.3: C24.1@84.29,87.629 84.29,84.8 v2(85.654,83.436) U6.8@87.745,83.436 ; v2(99.64,83.204) 100.272,82.572 U5.3@106.09,82.572 ; C19.1@99.64,84.779 v2@99.64,83.346 ; v2@99.64,83.346 99.711,83.275 99.64,83.275 v2@99.64,83.346
  Bottom Layer w0.3: v2(85.654,83.436) 85.886,83.204 v2(99.64,83.204)
VH_L_C: C35.1 C36.1 C41.1 U9.3 U10.8 | length 29.3
  Top Layer w0.3: C41.1@8.1,87.629 8.1,84.8 v2(9.464,83.436) U10.8@11.555,83.436 ; v2(23.385,83.204) 24.017,82.572 U9.3@29.835,82.572 ; C35.1@23.385,84.779 v2@23.385,83.346 ; v2@23.385,83.346 23.456,83.275 23.385,83.275 v2@23.385,83.346
  Bottom Layer w0.3: v2(9.464,83.436) 9.696,83.204 v2(23.385,83.204)
VL_H_A: C9.2 C11.2 C15.2 U3.5 U4.5 | length 16.7
  Top Layer w0.3: U4.5@203.116,83.436 205.761,83.436 206.136,83.811 206.136,88.461 C9.2@210.846,88.461 ; C9.2@210.846,88.293 214.065,88.293 U3.5@214.706,87.652
VL_H_B: C25.2 C27.2 C31.2 U7.5 U8.5 | length 15.7
  Top Layer w0.3: U8.5@127.555,83.543 C27.2@130.2,83.543 130.575,83.918 130.575,87.194 C31.2@131.01,87.629 ; C31.2@130.7,88.461 C25.2@135.18,88.461 138.236,88.461 U7.5@139.045,87.652
VL_H_C: C42.2 C44.2 C48.2 U11.5 U12.5 | length 15.7
  Top Layer w0.3: U12.5@51.38,83.436 54.025,83.436 54.4,83.811 54.4,87.087 C48.2@54.835,87.522 ; C48.2@54.475,88.461 C42.2@59.02,88.461 ; C42.2@59.02,88.293 62.235,88.293 U11.5@62.87,87.658
VL_L_A: C11.1 C12.1 C16.1 U3.3 U4.8 | length 23.3
  Top Layer w0.3: C16.1@195.851,87.629 195.851,84.8 197.215,83.436 U4.8@199.306,83.436 ; U4.8@199.306,82.805 199.95,82.161 207.522,82.161 C11.1@208.561,83.2 ; C11.1@208.575,83.568 208.9,83.243 C12.1@210.77,83.243 ; C12.1@210.846,83.204 211.478,82.572 U3.3@214.706,82.572
VL_L_B: C27.1 C28.1 C32.1 U7.3 U8.8 | length 24.2
  Top Layer w0.3: C32.1@120.29,87.629 120.29,84.8 121.654,83.436 U8.8@123.745,83.436 123.745,82.805 124.389,82.161 131.961,82.161 133,83.2 C27.1@133,83.543 133.325,83.218 135.195,83.218 135.841,82.572 U7.3@139.045,82.572
VL_L_C: C44.1 C45.1 C49.1 U11.3 U12.8 | length 23.2
  Top Layer w0.3: C49.1@44.115,87.629 44.115,84.8 45.479,83.436 U12.8@47.57,83.436 ; U12.8@47.57,82.805 48.214,82.161 55.786,82.161 C44.1@56.825,83.2 ; C44.1@56.825,83.543 57.15,83.218 59.02,83.218 59.666,82.572 U11.3@62.87,82.572
Vsns_N: J2.23 U13.6 | length 38.8
  Bottom Layer w0.3: U13.6@77.1,74.115 77.1,72.84 76.107,71.847 76.107,70.3 81.257,65.15 99.058,65.15 104.81,59.398 J2.23@104.81,58
Vsns_P: J2.26 U13.7 | length 41.6
  Bottom Layer w0.3: U13.7@74.56,74.115 74.56,72.84 75.553,71.847 75.553,70.071 81.027,64.596 98.829,64.596 103.575,59.85 103.575,56.765 J2.26@102.27,55.46
pads on no net: U18.1

## Polygon pours and split planes (outlines as drawn)
ISO-5V on Bottom Layer "Low Power" (solid, pour order 123): 222.526,86.508 cw(c224.523,87.034) 224.255,89.081 225.58,89.081 cw(c225.382,86.964) 227.46,86.508
ISO-5V on Bottom Layer "Low Power" (solid, pour order 124): 212.231,86.7 cw(c214.228,87.225) 213.961,89.273 215.286,89.273 cw(c215.088,87.156) 217.166,86.7
ISO-5V on Bottom Layer "Bottom Layer-ISO-5V 1" (solid, pour order 122): 179.072,86.958 cw(c181.119,87.225) 180.852,89.273 182.177,89.273 cw(c181.979,87.155) 184.097,86.958
ISO-5V on Bottom Layer "Bottom Layer-ISO-5V 2" (solid, pour order 121): 136.52,86.958 cw(c138.568,87.225) 138.3,89.273 139.625,89.273 cw(c139.428,87.155) 141.545,86.958
ISO-5V on Bottom Layer "Bottom Layer-ISO-5V 3" (solid, pour order 120): 103.565,86.958 cw(c105.613,87.225) 105.345,89.273 106.67,89.273 cw(c106.472,87.155) 108.59,86.958
ISO-5V on Bottom Layer "Bottom Layer-ISO-5V 4" (solid, pour order 119): 60.345,86.958 cw(c62.393,87.225) 62.125,89.273 63.45,89.273 cw(c63.252,87.155) 65.37,86.958
ISO-GND on Bottom Layer "Low Power" (solid, remove dead copper, pour order 125): 229.5,92.25 229.5,87.375 46.55,87.375 46.55,92.25
ISO-5V on Bottom Layer "Low Power" (solid, pour order 126): 229.5,87.1 229.5,81.7 46.6,81.7 46.6,87.1
HV-GND on Bottom Layer "High Power" (solid, remove dead copper, pour order 98): 223.65,95.2 223.65,169.425 224.575,169.425 cw(c224.575,164.5) 229.5,164.5 229.5,95.2
HV-GND on Bottom Layer "High Power" (solid, remove dead copper, pour order 96): 147.6,169.425 154,169.425 154,95.2 147.65,95.225
HV-GND on Bottom Layer "High Power" (solid, remove dead copper, pour order 94): 71.65,169.425 78,169.425 78,95.2 71.65,95.175 71.7,95.175
NetC15_1 on Bottom Layer "High Power" (solid, pour order 21): 191,155.55 213,155.55 213,107.95 191.375,107.95 191.375,95.175 223.45,95.175 223.45,169.425 191,169.425
HV+ on Bottom Layer "High Power" (solid, pour order 11): 191,155.55 171,155.55 171,107.95 190.625,107.95 190.625,95.175 156.425,95.175 156.425,169.425 191,169.425
Phase-A-OUT on Bottom Layer "High Power" (solid, pour order 15): 171,158.338 171,105.525 212.35,105.525 212.35,158.313
Phase-B-OUT on Bottom Layer "High Power" (solid, pour order 14): 95,158.188 95,105.45 136.35,105.45 136.35,158.163
Phase-C-OUT on Bottom Layer "High Power" (solid, pour order 13): 19,158.263 19,105.6 60.35,105.6 60.35,158.238
HV-GND on Bottom Layer "High Power" (solid, remove dead copper, pour order 24): 117.125,25.2 117.125,15.5 111.125,15.5 111.125,25.2
HV+ on Bottom Layer "Low Power" (solid, remove dead copper, pour order 23): 149.295,15.8 149.295,34.05 155.295,34.05 155.295,15.8
NetQ22_2 on Bottom Layer "Low Power" (solid, remove dead copper, pour order 22): 125.025,34.05 125.025,15.8 119.025,15.8 119.025,34.05
NetC31_1 on Bottom Layer "High Power" (solid, pour order 20): 115,155.55 137,155.55 137,107.95 115.375,107.95 115.375,95.175 147.45,95.175 147.45,169.425 115,169.425
HV+ on Bottom Layer "High Power" (solid, pour order 10): 115,155.55 95,155.55 95,107.95 114.625,107.95 114.625,95.175 80.425,95.175 80.425,169.425 115,169.425
NetC48_1 on Bottom Layer "High Power" (solid, pour order 19): 39.375,155.55 61,155.55 61,107.95 39.375,107.95 39.375,95.175 71.225,95.175 71.225,169.425 39.375,169.425
HV+ on Bottom Layer "High Power" (solid, pour order 6): 38.625,155.55 19,155.55 19,107.95 38.625,107.95 38.625,95.175 0.575,95.175 0.575,164.525 cw(c5.475,164.525) 5.475,169.425 38.625,169.425
HV-GND on GND "High Power" (solid, pour order 92): 229.5,95.5 229.5,164.475 ccw(c224.475,164.475) 224.475,169.5 219,169.5 219,95.5
HV-GND on GND "High Power" (solid, pour order 90): 154.9,99.225 154.9,169.5 142.5,169.5 142.5,98.872
HV-GND on GND "High Power" (solid, pour order 86): 78.7,99.219 78.7,169.5 66.5,169.5 66.5,98.872
Phase-A-OUT on GND "High Power" (solid, pour order 4): 171,154.888 171,108.825 212.35,108.825 212.35,154.863
Phase-B-OUT on GND "High Power" (solid, pour order 2): 95,154.888 95,108.825 136.35,108.825 136.35,154.863
Phase-C-OUT on GND "High Power" (solid, pour order 0): 19,154.888 19,108.825 60.35,108.825 60.35,154.863
HV-GND on GND "High Power" (solid, remove dead copper, pour order 12): 0.5,5.5 ccw(c5.5,5.5) 5.5,0.5 224.5,0.5 ccw(c224.5,5.5) 229.5,5.5 229.5,99.8 186.675,99.8 186.675,82.5 154.9,82.5 154.9,99.8 111.1,99.8 111.1,82.5 78.7,82.5 78.7,99.8 34.8,99.8 34.8,82.5 0.5,82.5
NetC15_1 on PWR "High Power" (solid, pour order 25): 229.5,90 191.95,90 191.95,169.475 224.5,169.475 cw(c224.5,164.475) 229.5,164.475
NetC31_1 on PWR "High Power" (solid, pour order 18): 116,169.5 152.5,169.5 152.5,90 116,90
NetC48_1 on PWR "High Power" (solid, pour order 17): 40,169.5 76.5,169.5 76.5,90 40,90
HV+ on PWR "High Power" (solid, remove dead copper, pour order 16): 0.5,5.5 ccw(c5.5,5.5) 5.5,0.5 224.5,0.5 ccw(c224.5,5.5) 229.5,5.5 229.5,80.5 191,80.5 191,169.5 154,169.5 154,80.5 115,80.5 115,169.5 78,169.5 78,80.5 39,80.5 39,169.5 5.5,169.5 ccw(c5.5,164.5) 0.5,164.5
GND on Top Layer "Low Power" (solid, remove dead copper, pour order 118): 0.5,75 0.5,51.825 229.5,51.825 229.5,75
NetC15_1 on Top Layer "Low Power" (solid, remove dead copper, pour order 116): 202.701,85.825 202.701,91 199.726,91 199.726,85.825
Phase-A-OUT on Top Layer "Low Power" (solid, remove dead copper, pour order 114): 166.626,85.825 166.626,91 163.651,91 163.651,85.825
NetC31_1 on Top Layer "Low Power" (solid, remove dead copper, pour order 112): 127.14,85.825 127.14,91 124.165,91 124.165,85.825
Phase-B-OUT on Top Layer "Low Power" (solid, remove dead copper, pour order 110): 91.14,85.825 91.14,91 88.165,91 88.165,85.825
NetC48_1 on Top Layer "Low Power" (solid, remove dead copper, pour order 108): 50.965,85.825 50.965,91 47.99,91 47.99,85.825
Phase-C-OUT on Top Layer "Low Power" (solid, remove dead copper, pour order 106): 14.95,85.825 14.95,91 11.975,91 11.975,85.825

## Other copper
Top Layer:
  pour cut-out: 0.5,75 229.5,75 229.5,82.4 0.5,82.4
PWR:
  pour cut-out: 212.35,108.85 212.35,154.825 171.05,154.825 171.05,108.825
  pour cut-out: 136.35,108.85 136.35,154.825 95.05,154.825 95.05,108.825
  pour cut-out: 60.35,108.85 60.35,154.825 19.05,154.825 19.05,108.825
Bottom Layer:
  pour cut-out: 0.5,75 229.5,75 229.5,81.625 0.5,81.625

## Silkscreen, mask and mechanical layers (free items; w line width, h text height)
Top Overlay:
  drawing of 33 lines, arcs and shapes, not listed
  text "C" at 36.375,118.025 h5
  text "B" at 112.375,118.025 h5
  text "A" at 188.375,118.025 h5
  text "GND /  / 5V" at 226.525,86.15 h1
  text "HV" at 0.7,82.8 h3
  text "LV" at 222.6,69.9 h3
  text "5V" at 14.675,59.65 h2 r45
  text "12V" at 19.475,59.65 h2 r45
  text "3V3" at 24.275,59.65 h2 r45
  text "GND" at 14.65,52.675 h2
  text "Power Board / REV 0" at 197,50.6 h2
  text "HV" at 1.2,44.7 h3
  text "DC-" at 39.525,25.275 h5
  text "DC+" at 175.525,25.275 h5
  text "Jarod Krane" at 203.6,0.5 h1.5
Bottom Overlay:
  drawing of 4 lines, arcs and shapes, not listed
BoardOutline:
  the board outline again, w0.2
Mechanical 15:
  lines w0.2: 225.2,123.5 226.2,125.5 225.2,127.5 226.2,129.5 225.2,131.5 226.2,133.5 225.2,135.5 226.2,137.5 225.2,139.5 226.2,141.5 225.2,143.5 226.2,145.5 225.2,147.5 226.2,149.5 225.2,151.5 226.2,153.5 225.2,155.5 226.2,157.5 228.2,157.5 227.2,155.5 228.2,153.5 227.2,151.5 228.2,149.5 227.2,147.5 228.2,145.5 227.2,143.5 228.2,141.5 227.2,139.5 228.2,137.5 227.2,135.5 228.2,133.5 227.2,131.5 228.2,129.5 227.2,127.5 228.2,125.5 227.2,123.5 225.2,123.5